# KiCad board AurisenseV2-rounded.kicad_pcb (continued)
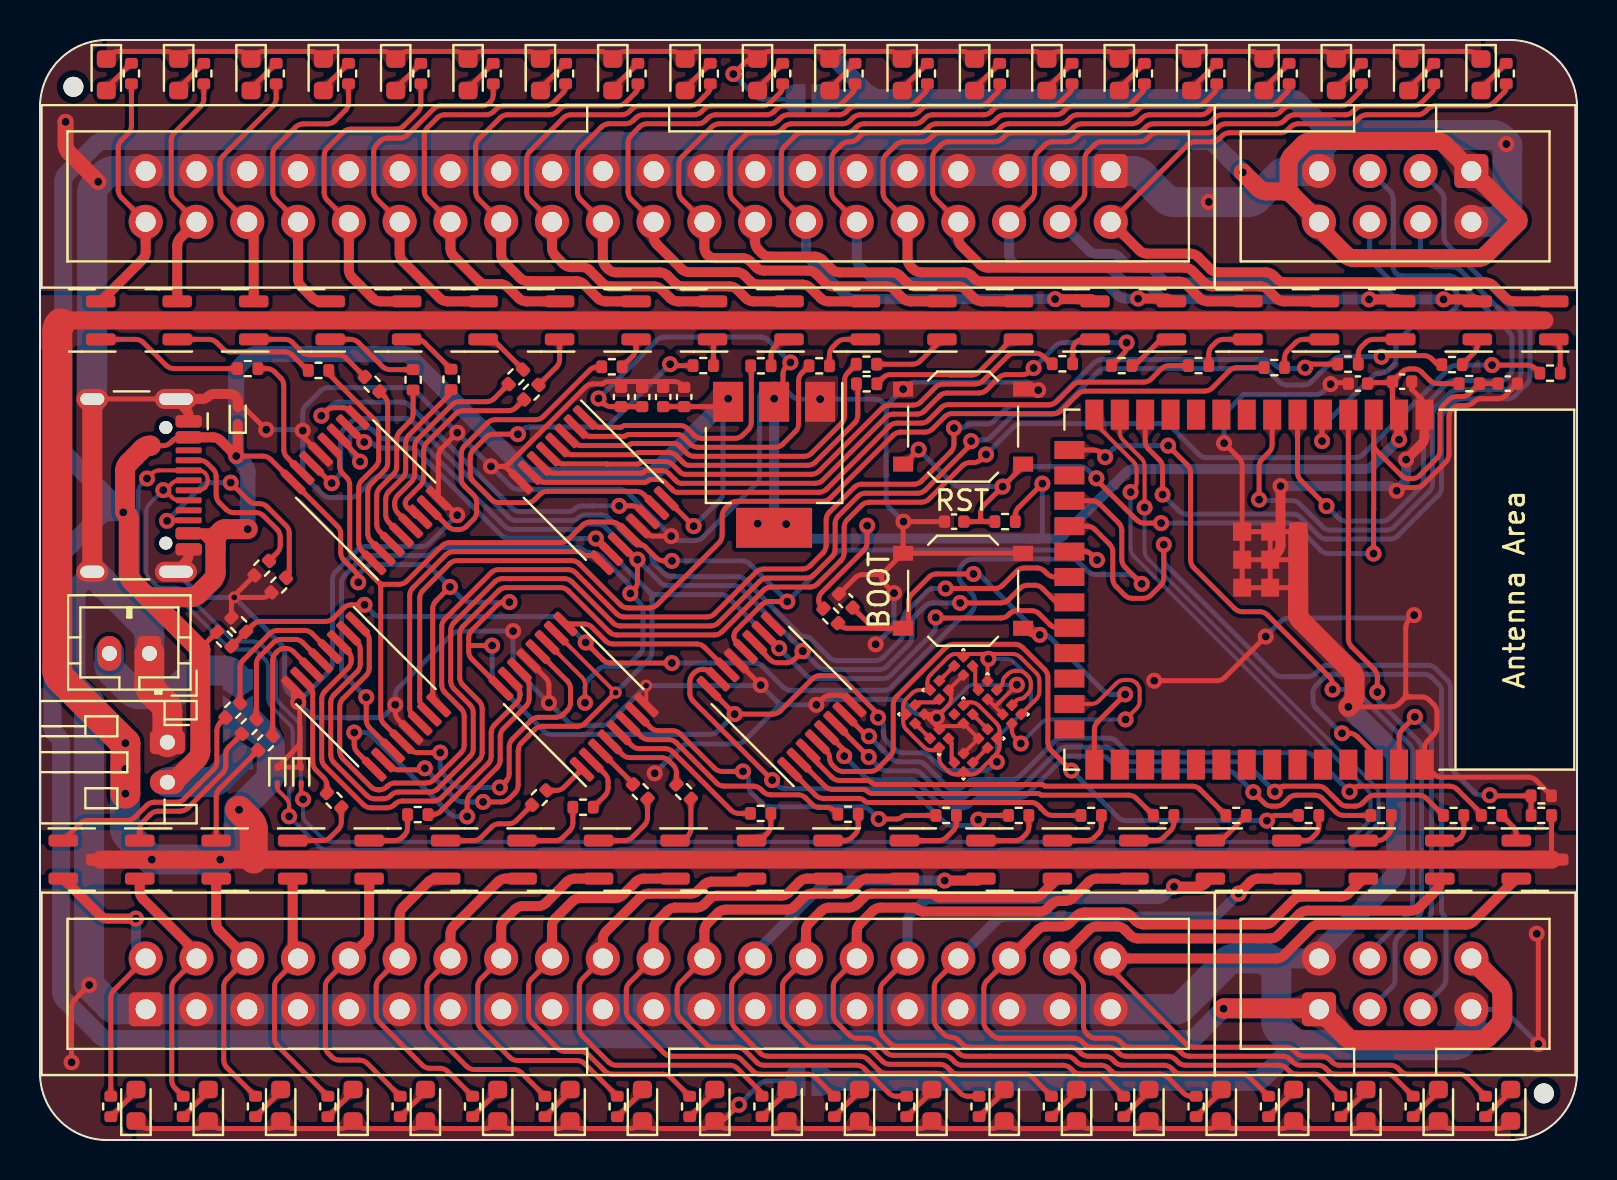
[diagram p0: board, top side]
## Routing (per net, layer and track width the routed paths; a pad name or vN(x,y) marks a point on that pad's centre or on a via; arc(x,y) is an arc through that point) (continued)
  Top w0.5: Q30.2 35.51,13 arc(35.42,12.94) 35.32,12.92 33.59,12.92 arc(33.38,12.88) 33.2,12.76 32.92,12.48 arc(32.75,12.36) 32.54,12.32 30.43,12.32 arc(30.22,12.28) 30.04,12.16 28.3,10.42 arc(28.19,10.24) 28.14,10.04 J5.20
motor 31 anode: length 26.6
  Top w0.25: R63.1 38.78,3.13 arc(38.61,3.25) 38.4,3.29 36.03,3.29 arc(35.82,3.33) 35.64,3.45 35.06,4.03 arc(34.88,4.15) 34.68,4.19 31.6,4.19 arc(31.39,4.23) 31.21,4.35 29.48,6.08 arc(29.36,6.26) 29.32,6.46 29.32,7.49 arc(29.36,7.69) 29.48,7.87 J5.22
  Top w0.5: Q31.2 38.37,13.07 arc(38.16,13.03) 37.98,12.91 37.45,12.38 arc(37.27,12.26) 37.06,12.22 33.88,12.22 arc(33.67,12.18) 33.49,12.06 33.21,11.78 arc(33.04,11.66) 32.83,11.62 31.76,11.62 arc(31.56,11.58) 31.38,11.46 30.84,10.92 arc(30.73,10.75) 30.68,10.54 J5.22
motor 32 anode: length 28.9
  Top w0.25: J5.24 32.02,7.87 arc(31.9,7.69) 31.86,7.49 31.86,6.46 arc(31.9,6.26) 32.02,6.08 33.3,4.8 arc(33.48,4.68) 33.69,4.64 34.86,4.64 arc(35.07,4.6) 35.25,4.48 35.83,3.9 arc(36.01,3.78) 36.21,3.74 40.83,3.74 arc(41.04,3.7) 41.21,3.58 42.45,2.35 arc(42.63,2.23) 42.83,2.19 R65.1
  Top w0.5: J5.24 33.22,10.46 arc(33.27,10.66) 33.38,10.84 33.9,11.36 arc(34.08,11.48) 34.29,11.52 37.35,11.52 arc(37.56,11.56) 37.74,11.68 38.22,12.16 arc(38.4,12.28) 38.61,12.32 40.17,12.32 arc(40.37,12.36) 40.55,12.48 40.98,12.91 arc(41.16,13.03) 41.37,13.07 Q32.2
motor 33 anode: length 30.6
  Top w0.25: J5.26 34.75,8.06 arc(34.63,7.88) 34.59,7.68 34.59,6 arc(34.63,5.79) 34.75,5.61 36.02,4.35 arc(36.19,4.23) 36.4,4.19 41.02,4.19 arc(41.22,4.15) 41.4,4.03 41.94,3.49 arc(42.11,3.38) 42.32,3.33 44.81,3.33 arc(45.02,3.29) 45.2,3.18 46.03,2.35 arc(46.2,2.23) 46.41,2.19 R78.1
  Top w0.5: v1(45.24,12.97) 46.89,12.97 arc(46.95,12.98) 47.01,13.02 Q33.2
  Bottom w0.5: J5.26 35.77,9.23 arc(35.79,9.36) 35.87,9.48 39.2,12.81 arc(39.38,12.93) 39.59,12.97 v1(45.24,12.97)
motor 34 anode: length 33.6
  Top w0.25: J5.28 37.29,8.06 arc(37.17,7.88) 37.13,7.68 37.13,6.19 arc(37.17,5.98) 37.29,5.8 38.3,4.8 arc(38.47,4.68) 38.68,4.64 41.2,4.64 arc(41.41,4.6) 41.59,4.48 42.12,3.94 arc(42.3,3.83) 42.51,3.78 45,3.78 arc(45.21,3.74) 45.38,3.63 45.56,3.45 arc(45.74,3.33) 45.94,3.29 49.25,3.29 arc(49.46,3.25) 49.64,3.13 R79.1
  Top w0.5: J5.28 38.3,10.46 arc(38.35,10.67) 38.46,10.85 39.08,11.46 arc(39.26,11.58) 39.46,11.62 40.46,11.62 arc(40.66,11.66) 40.84,11.78 41.22,12.16 arc(41.4,12.28) 41.61,12.32 44.55,12.32 arc(44.68,12.3) 44.79,12.22 arc(44.9,12.15) 45.03,12.12 49.7,12.12 arc(49.91,12.16) 50.09,12.28 Q34.2
motor 35 anode: length 35.8
  Top w0.25: J5.30 39.83,8.06 arc(39.71,7.88) 39.67,7.68 39.67,6.27 arc(39.71,6.06) 39.83,5.89 40.47,5.25 arc(40.65,5.13) 40.85,5.09 41.39,5.09 arc(41.6,5.05) 41.77,4.93 42.31,4.39 arc(42.49,4.28) 42.69,4.23 45.18,4.23 arc(45.39,4.19) 45.57,4.08 45.75,3.9 arc(45.92,3.78) 46.13,3.74 51.15,3.74 arc(51.36,3.7) 51.54,3.58 51.67,3.45 arc(51.85,3.33) 52.05,3.29 52.87,3.29 arc(53.08,3.25) 53.26,3.13 R80.1
  Top w0.5: J5.30 40.84,10.43 arc(40.89,10.63) 41,10.81 41.66,11.46 arc(41.83,11.58) 42.04,11.62 43.67,11.62 arc(43.8,11.6) 43.91,11.52 arc(44.02,11.45) 44.15,11.42 49.99,11.42 arc(50.2,11.46) 50.38,11.58 50.59,11.8 arc(50.77,11.91) 50.98,11.96 51.27,11.96 arc(51.48,12) 51.66,12.11 52.46,12.91 arc(52.63,13.03) 52.84,13.07 Q35.2
motor 36 anode: length 39.1
  Top w0.25: J5.32 42.18,7.87 arc(42.06,7.69) 42.02,7.49 42.02,5.54 arc(42.06,5.34) 42.18,5.16 42.5,4.84 arc(42.67,4.73) 42.88,4.69 45.37,4.69 arc(45.58,4.64) 45.75,4.53 45.93,4.35 arc(46.11,4.23) 46.32,4.19 47.51,4.19 arc(47.51,4.19) 47.51,4.19 51.34,4.19 arc(51.55,4.15) 51.72,4.03 51.86,3.9 arc(52.03,3.78) 52.24,3.74 53.06,3.74 arc(53.27,3.7) 53.44,3.58 53.57,3.45 arc(53.75,3.33) 53.96,3.29 56.02,3.29 arc(56.23,3.25) 56.4,3.13 57.19,2.35 arc(57.37,2.23) 57.57,2.19 R81.1
  Top w0.5: Q36.2 58.29,12.83 arc(58.11,12.71) 57.9,12.67 v1(56.71,12.67)
  Bottom w0.5: v1(56.71,12.67) 56.25,12.2 arc(56.07,12.09) 55.86,12.04 44.51,12.04 arc(44.31,12) 44.13,11.89 43.54,11.3 arc(43.43,11.12) 43.39,10.92 J5.32
motor 37 anode: length 39.7
  Top w0.25: R82.1 60.49,3.13 arc(60.32,3.25) 60.11,3.29 57.11,3.29 arc(56.9,3.33) 56.72,3.45 56.59,3.58 arc(56.41,3.7) 56.21,3.74 54.14,3.74 arc(53.94,3.78) 53.76,3.9 53.63,4.03 arc(53.45,4.15) 53.24,4.19 52.43,4.19 arc(52.22,4.23) 52.04,4.35 51.91,4.48 arc(51.73,4.6) 51.53,4.64 46.5,4.64 arc(46.3,4.68) 46.12,4.8 45.93,4.99 arc(45.77,5.1) 45.57,5.13 arc(45.38,5.17) 45.21,5.28 44.88,5.62 arc(44.76,5.79) 44.72,6 44.72,7.64 arc(44.76,7.85) 44.88,8.03 J5.34
  Top w0.5: v1(59.94,12.32) 60.53,12.91 arc(60.71,13.03) 60.92,13.07 Q37.2
  Bottom w0.5: J5.34 47.86,11.01 arc(48.04,11.13) 48.24,11.17 58.56,11.17 arc(58.77,11.21) 58.95,11.33 v1(59.94,12.32)
motor 38 anode: length 42.6
  Top w0.25: J5.36 47.36,7.97 arc(47.24,7.79) 47.2,7.58 47.2,5.89 arc(47.24,5.68) 47.36,5.51 47.62,5.25 arc(47.79,5.13) 48,5.09 51.71,5.09 arc(51.92,5.05) 52.1,4.93 52.23,4.8 arc(52.41,4.68) 52.61,4.64 53.43,4.64 arc(53.64,4.6) 53.81,4.48 53.95,4.35 arc(54.12,4.23) 54.33,4.19 56.39,4.19 arc(56.6,4.15) 56.78,4.03 56.91,3.9 arc(57.09,3.78) 57.29,3.74 61.95,3.74 arc(62.16,3.7) 62.34,3.58 62.47,3.45 arc(62.65,3.33) 62.85,3.29 63.73,3.29 arc(63.93,3.25) 64.11,3.13 R83.1
  Top w0.5: Q38.2 65.43,12.33 arc(65.26,12.21) 65.05,12.17 63.08,12.17 arc(62.88,12.13) 62.7,12.01 61.63,10.94 arc(61.45,10.82) 61.24,10.78 55.2,10.78 arc(54.99,10.82) 54.81,10.94 54.53,11.22 arc(54.36,11.33) 54.15,11.38 52.24,11.38 arc(52.03,11.33) 51.86,11.22 51.47,10.84 arc(51.3,10.72) 51.09,10.68 50.29,10.68 arc(50.08,10.63) 49.91,10.52 J5.36
motor 39 anode: length 42.9
  Top w0.25: R84.1 67.73,3.13 arc(67.55,3.25) 67.34,3.29 64.81,3.29 arc(64.6,3.33) 64.43,3.45 64.3,3.58 arc(64.12,3.7) 63.91,3.74 63.04,3.74 arc(62.83,3.78) 62.66,3.9 62.52,4.03 arc(62.35,4.15) 62.14,4.19 57.48,4.19 arc(57.27,4.23) 57.1,4.35 56.96,4.48 arc(56.79,4.6) 56.58,4.64 54.52,4.64 arc(54.31,4.68) 54.13,4.8 54,4.93 arc(53.82,5.05) 53.62,5.09 52.8,5.09 arc(52.59,5.13) 52.42,5.25 52.34,5.32 arc(52.23,5.5) 52.18,5.71 52.18,7.67 arc(52.14,7.88) 52.02,8.06 51.01,9.07
  Top w0.5: Q39.2 70,12.86 arc(69.96,12.67) 69.85,12.51 68.97,11.63 arc(68.8,11.51) 68.59,11.47 63.37,11.47 arc(63.17,11.43) 62.99,11.31 61.92,10.24 arc(61.74,10.12) 61.53,10.08 54.91,10.08 arc(54.7,10.12) 54.52,10.24 54.24,10.52 arc(54.07,10.63) 53.86,10.68 52.85,10.68 arc(52.64,10.63) 52.46,10.52 51.03,9.08 arc(51.02,9.08) 51.01,9.08 arc(51.01,9.07) 51.01,9.07
motor 40 anode: length 43.5
  Top w0.25: R85.1 71.35,3.13 arc(71.17,3.25) 70.96,3.29 68.43,3.29 arc(68.22,3.33) 68.05,3.45 67.92,3.58 arc(67.74,3.7) 67.53,3.74 65,3.74 arc(64.79,3.78) 64.61,3.9 64.48,4.03 arc(64.31,4.15) 64.1,4.19 63.23,4.19 arc(63.02,4.23) 62.84,4.35 62.71,4.48 arc(62.53,4.6) 62.33,4.64 57.7,4.64 arc(57.49,4.68) 57.32,4.8 53.7,8.41 arc(53.59,8.59) 53.55,8.79 53.55,8.88
  Top w0.5: Q40.2 71.68,10.93 arc(71.51,10.81) 71.3,10.77 63.96,10.77 arc(63.76,10.73) 63.58,10.61 62.21,9.24 arc(62.03,9.12) 61.82,9.08 53.74,9.08 arc(53.6,9.02) 53.55,8.88
Motor Voltage Input: length 8.3
  Bottom w1.5: J2.2 3.47,23.77 arc(3.51,23.57) 3.63,23.39 4.57,22.45 arc(4.75,22.33) 4.95,22.29 6.43,22.29 arc(6.64,22.33) 6.82,22.45 7.68,23.32 arc(7.86,23.43) 8.07,23.47 9.23,23.47 arc(9.44,23.43) 9.61,23.32 JP1.3
Power draw resistor A: length 8.4
  Top w0.25: R66.2 11.45,28.96 arc(11.45,28.96) 11.45,28.96 11.85,29.36 arc(11.97,29.54) 12.01,29.74 12.01,30.14 arc(11.97,30.35) 11.85,30.53 11.17,31.21 arc(11,31.33) 10.79,31.37 9.69,31.37 arc(9.48,31.41) 9.3,31.53 8.97,31.87 arc(8.85,32.04) 8.81,32.25 8.81,33.16 arc(8.77,33.37) 8.65,33.55 8.37,33.82 arc(8.2,33.94) 7.99,33.98 7.43,33.98
Power draw resistor B: length 11.4
  Top w0.25: 7.43,30.98 6.4,30.98 arc(6.38,30.98) 6.37,30.97 v1(6.35,30.96) ; R67.2 12.38,28.19 arc(12.44,28.28) 12.46,28.39 12.46,30.33 arc(12.42,30.54) 12.3,30.72 11.36,31.66 arc(11.18,31.78) 10.97,31.82 10.81,31.82 arc(10.6,31.86) 10.42,31.98 v1(9.53,32.87)
  Bottom w0.25: v1(6.35,30.96) 8.11,32.71 arc(8.28,32.83) 8.49,32.87 v1(9.53,32.87)
register1 to register2: length 21.2
  Top w0.25: U2.9 15.55,36.45 arc(15.37,36.57) 15.16,36.61 14.7,36.61 arc(14.49,36.57) 14.31,36.45 14.07,36.21 arc(14.07,36.21) 14.07,36.21 v1(14.07,36.21) ; U6.14 30,31.55 arc(29.83,31.67) 29.62,31.71 v1(28.96,31.71)
  Bottom w0.25: v1(28.96,31.71) 27.65,31.71 arc(27.64,31.71) 27.64,31.71 arc(27.64,31.7) 27.64,31.7 27.09,31.7 arc(26.91,31.67) 26.75,31.57 arc(26.6,31.46) 26.42,31.43 24.01,31.43 arc(23.8,31.47) 23.62,31.59 18.47,36.74 arc(18.3,36.85) 18.09,36.89 14.98,36.89 arc(14.77,36.85) 14.59,36.74 v1(14.07,36.21)
register2 to register3: length 17.4
  Top w0.25: U9.14 18.65,21.2 arc(18.53,21.38) 18.49,21.59 18.49,27.23 arc(18.53,27.44) 18.65,27.62 20.29,29.26 arc(20.47,29.38) 20.68,29.42 26.86,29.42 arc(26.99,29.39) 27.1,29.32 arc(27.21,29.25) 27.33,29.22 27.51,29.22 arc(27.71,29.18) 27.89,29.06 U6.9
register3 to register4: length 18.3
  Top w0.25: v1(21.36,16.18) 21.36,16.9 arc(21.4,17.11) 21.52,17.29 22.85,18.62 arc(22.97,18.8) 23.01,19.01 23.01,20.18 arc(23.06,20.39) 23.17,20.56 24.3,21.69 arc(24.42,21.87) 24.46,22.08 24.46,22.79 arc(24.42,23) 24.3,23.18 U11.14 ; U9.9 15.87,19.38 arc(15.75,19.56) 15.71,19.76 v1(15.71,20.37)
  Bottom w0.25: v1(15.71,20.37) 16.21,20.37 arc(16.42,20.33) 16.59,20.21 20.47,16.34 arc(20.65,16.22) 20.85,16.18 v1(21.36,16.18)
register4 to register5: length 9
  Top w0.25: U11.9 27.21,25.8 arc(27.42,25.76) 27.6,25.64 28.28,24.96 arc(28.45,24.84) 28.66,24.8 32.84,24.8 arc(33.05,24.76) 33.23,24.64 U4.14
SCLK - A: length 15
  Top w0.25: U1.39 67.97,20.15 arc(68.01,20.36) 68.13,20.53 v1(68.75,21.16)
  Bottom w0.25: v1(68.75,21.16) 69.43,20.48 arc(69.55,20.31) 69.59,20.1 69.59,11.42 arc(69.55,11.21) 69.43,11.03 69.2,10.8 arc(69.08,10.63) 69.04,10.42 69.04,9.38
SCLK - B: length 19.3
  Top w0.25: U1.5 64.14,36.24 arc(64.12,36.22) 64.11,36.19 v1(64.11,34.94)
  Bottom w0.25: v1(64.11,34.94) 64.11,35.44 arc(64.16,35.65) 64.27,35.83 66.63,38.18 arc(66.81,38.3) 67.01,38.34 67.06,38.34 arc(67.27,38.38) 67.44,38.5 67.65,38.7 arc(67.77,38.88) 67.81,39.09 67.81,39.64 arc(67.85,39.85) 67.97,40.02 69.09,41.15 arc(69.27,41.26) 69.48,41.31 70.26,41.31 arc(70.47,41.35) 70.65,41.47 70.75,41.57 arc(70.87,41.75) 70.91,41.96 70.91,42.11 arc(70.87,42.31) 70.75,42.49 70.65,42.6 arc(70.47,42.71) 70.26,42.76 67.98,42.76 arc(67.77,42.8) 67.59,42.92 66.66,43.85 arc(66.54,44.03) 66.5,44.24 J6.6
shift out serial: length 48.5
  Top w0.25: U1.20 50.75,28.15 arc(50.55,28.19) 50.37,28.31 50.24,28.44 arc(50.06,28.56) 49.85,28.6 49.23,28.6 arc(49.02,28.56) 48.84,28.44 48.14,27.74 arc(47.96,27.62) 47.75,27.58 v1(45.29,27.58) ; v1(14.59,32.84) 14.57,32.84 arc(14.56,32.85) 14.55,32.85 U2.14
  Bottom w0.25: v1(45.29,27.58) 44.73,27.58 arc(44.52,27.54) 44.34,27.42 43.32,26.39 arc(43.2,26.22) 43.16,26.01 43.16,25.36 arc(43.12,25.15) 43,24.97 42.16,24.13 arc(41.98,24.01) 41.77,23.97 39.86,23.97 arc(39.66,24.01) 39.48,24.13 38.56,25.05 arc(38.43,25.14) 38.27,25.17 arc(38.11,25.2) 37.98,25.29 35.26,28.01 arc(35.08,28.13) 34.88,28.17 31.59,28.17 arc(31.38,28.21) 31.21,28.33 30.74,28.79 arc(30.64,28.95) 30.6,29.13 arc(30.57,29.31) 30.47,29.46 30.31,29.61 arc(30.16,29.71) 29.98,29.75 arc(29.81,29.78) 29.65,29.88 28.44,31.09 arc(28.27,31.21) 28.06,31.25 27.27,31.25 arc(27.09,31.22) 26.94,31.12 arc(26.79,31.01) 26.61,30.98 23.82,30.98 arc(23.61,31.02) 23.44,31.14 18.66,35.91 arc(18.49,36.03) 18.28,36.07 15.95,36.07 arc(15.74,36.03) 15.57,35.91 15.2,35.54 arc(15.08,35.36) 15.04,35.16 15.04,33.52 arc(15,33.31) 14.88,33.14 v1(14.59,32.84)
SPI clock pin: length 90
  Top w0.2: v1(27.25,21.86) 27.25,22.76 arc(27.21,22.97) 27.1,23.14 U11.11
  Top w0.25: U9.11 16.47,20.62 arc(16.36,20.79) 16.32,21 v1(16.32,22.14) ; v1(29.52,27.33) 29.72,27.52 arc(29.84,27.7) 29.88,27.91 v1(29.88,29.02) 29.83,29.02 arc(29.78,29.03) 29.74,29.06 U6.11 ; v1(38.14,24.44) 37.71,24.02 arc(37.54,23.9) 37.33,23.86 36.89,23.86 arc(36.68,23.9) 36.5,24.02 35.78,24.74 arc(35.75,24.78) 35.74,24.83 U4.11 ; v1(46.01,26.85) 48.05,26.85 arc(48.26,26.89) 48.44,27.01 49,27.58 arc(49.18,27.7) 49.39,27.74 49.74,27.74 arc(49.95,27.7) 50.13,27.58 50.67,27.04 arc(50.84,26.92) 51.05,26.88 U1.21 ; v1(16,33.92) 16,34 arc(15.99,34.07) 15.95,34.14 14.98,35.1 arc(14.96,35.13) 14.95,35.17 U2.11 ; 25.61,24.54 25.61,24.54
  Bottom w0.25: v1(27.25,21.86) 27.25,22.63 arc(27.3,22.84) 27.41,23.02 27.92,23.52 arc(28.09,23.64) 28.3,23.68 29.14,23.68 arc(29.35,23.72) 29.52,23.84 29.99,24.31 arc(30.11,24.49) 30.15,24.7 30.15,26.47 arc(30.11,26.68) 29.99,26.85 v1(29.52,27.33) 29.52,27.52 arc(29.49,27.7) 29.38,27.85 28.04,29.19 arc(27.87,29.31) 27.66,29.35 27.51,29.35 arc(27.33,29.39) 27.18,29.49 arc(27.02,29.59) 26.84,29.63 20.11,29.63 arc(19.9,29.59) 19.72,29.47 19.63,29.38 arc(19.46,29.26) 19.25,29.22 16.45,29.22 arc(16.24,29.18) 16.07,29.06 15.24,28.23 arc(15.12,28.06) 15.08,27.85 15.08,23.6 arc(15.12,23.4) 15.24,23.22 v1(16.32,22.14) ; v1(46.01,26.85) 44.64,26.85 arc(44.43,26.81) 44.25,26.69 43.77,26.21 arc(43.65,26.03) 43.61,25.82 43.61,25.17 arc(43.57,24.96) 43.45,24.78 42.34,23.68 arc(42.17,23.56) 41.96,23.52 39.29,23.52 arc(39.08,23.56) 38.9,23.68 v1(38.14,24.44) 38.14,24.47 arc(38.13,24.49) 38.12,24.51 35.07,27.56 arc(34.9,27.68) 34.69,27.72 31.38,27.72 arc(31.19,27.76) 31.03,27.86 v1(29.88,29.02) 28.26,30.64 arc(28.08,30.76) 27.87,30.8 27.46,30.8 arc(27.28,30.77) 27.13,30.67 arc(26.97,30.56) 26.79,30.53 23.63,30.53 arc(23.43,30.57) 23.25,30.69 19.04,34.89 arc(18.87,35.01) 18.66,35.05 17.31,35.05 arc(17.1,35.09) 16.92,35.21 16.67,35.46 arc(16.5,35.58) 16.29,35.62 16.14,35.62 arc(15.93,35.58) 15.75,35.46 15.65,35.35 arc(15.53,35.18) 15.49,34.97 15.49,34.66 arc(15.53,34.45) 15.65,34.27 v1(16,33.92)
SS - A: length 32.2
  Top w0.25: v1(66.88,22.4) 66.88,23.15 arc(66.84,23.36) 66.72,23.54 65.59,24.67 arc(65.47,24.85) 65.43,25.06 U1.4
  Bottom w0.25: J7.3 67.6,7.64 arc(67.72,7.82) 67.76,8.03 67.76,9.78 arc(67.81,9.99) 67.92,10.16 68.93,11.17 arc(69.05,11.35) 69.09,11.56 69.09,19.57 arc(69.05,19.78) 68.93,19.96 67.02,21.87 arc(66.92,22.02) 66.88,22.2 v1(66.88,22.4)
SS - B: length 41.6
  Top w0.25: U1.12 55.27,34.94 arc(55.31,34.73) 55.43,34.56 55.98,34 arc(56.1,33.83) 56.14,33.62 v1(56.14,32.27)
  Bottom w0.25: v1(56.14,32.27) 56.95,31.45 arc(57.13,31.34) 57.34,31.29 62.65,31.29 arc(62.86,31.25) 63.03,31.14 63.97,30.2 arc(64.14,30.09) 64.35,30.04 67.51,30.04 arc(67.72,30.09) 67.9,30.2 69.93,32.24 arc(70.05,32.41) 70.09,32.62 70.09,36.06 arc(70.13,36.27) 70.25,36.44 70.7,36.9 arc(70.88,37.02) 71.09,37.06 73.38,37.06 arc(73.58,37.1) 73.76,37.22 74.35,37.81 arc(74.47,37.99) 74.51,38.19 74.51,40.41 arc(74.47,40.62) 74.35,40.8 70.37,44.78 arc(70.26,44.96) 70.21,45.17 70.21,47.05 arc(70.17,47.26) 70.05,47.43 J6.3
V Motor: length 193
  Top w0.25: R88.2 75.59,14.21 arc(75.6,14.14) 75.64,14.08 arc(75.65,14.04) 75.62,14.02
  Top w0.9: 75.62,14.02 v1(9.02,14.02) Q22.3 v1(5.59,14.02) Q21.3 ; 75.24,40.98 1.38,40.98 arc(1.18,40.94) 1.01,40.83
  Top w1.4: v1(9.96,16.51) 10.53,15.94 arc(10.65,15.76) 10.69,15.56 Q23.3
  Top w1.5: v1(4.27,17.32) v1(4.27,18.55) v1(4.27,19.84) 1.02,23.09 arc(0.91,23.26) 0.86,23.47 0.86,40.47 arc(0.9,40.67) 1.01,40.83
  Bottom w1.4: JP1.2 10.19,21.04 arc(10.39,21) 10.57,20.88 11.38,20.07 arc(11.5,19.9) 11.54,19.69 11.54,18.32 arc(11.5,18.11) 11.38,17.94 v1(9.96,16.51)
  Bottom w1.5: v1(9.96,16.51) 9.96,15.19 arc(9.91,14.98) 9.8,14.8 v1(9.02,14.02) v1(5.59,14.02) 4.41,15.2 arc(4.29,15.38) 4.25,15.59 4.25,17.28 arc(4.25,17.3) 4.26,17.31 v1(4.27,17.32)
Net-(D1-A): length 1.9
  Top w0.25: D1.2 3.32,52.52 arc(3.33,52.57) 3.35,52.61 R2.2
Net-(D2-A): length 1.9
  Top w0.25: D2.2 6.93,52.52 arc(6.94,52.57) 6.97,52.61 R4.2
Net-(D3-A): length 1.9
  Top w0.25: D3.2 10.55,52.52 arc(10.56,52.57) 10.59,52.61 R6.2
Net-(D4-A): length 1.9
  Top w0.25: D4.2 14.17,52.52 arc(14.18,52.57) 14.21,52.61 R8.2
Net-(D5-A): length 1.9
  Top w0.25: D5.2 17.79,52.52 arc(17.8,52.57) 17.83,52.61 R10.2
Net-(D6-A): length 1.9
  Top w0.25: D6.2 21.41,52.52 arc(21.42,52.57) 21.44,52.61 R12.2
Net-(D7-A): length 1.9
  Top w0.25: D7.2 25.03,52.52 arc(25.04,52.57) 25.06,52.61 R14.2
Net-(D8-A): length 1.9
  Top w0.25: R16.2 28.68,52.61 arc(28.65,52.57) 28.64,52.52 D8.2
Net-(D9-A): length 1.9
  Top w0.25: R18.2 32.3,52.61 arc(32.27,52.57) 32.26,52.52 D9.2
Net-(D10-A): length 1.9
  Top w0.25: R20.2 35.92,52.61 arc(35.89,52.57) 35.88,52.52 D10.2
Net-(D11-A): length 1.9
  Top w0.25: D11.2 39.5,52.52 arc(39.51,52.57) 39.54,52.61 R22.2
Net-(D12-A): length 1.9
  Top w0.25: D12.2 43.12,52.52 arc(43.13,52.57) 43.15,52.61 R24.2
Net-(D13-A): length 1.8
  Top w0.25: 46.74,52.58 R26.2
Net-(D14-A): length 1.9
  Top w0.25: R28.2 50.39,52.61 arc(50.36,52.57) 50.35,52.52 D14.2
Net-(D15-A): length 1.9
  Top w0.25: D15.2 53.97,52.52 arc(53.98,52.57) 54.01,52.61 R30.2
Net-(D16-A): length 1.9
  Top w0.25: R32.2 57.63,52.61 arc(57.6,52.57) 57.59,52.52 D16.2
Net-(D17-A): length 1.9
  Top w0.25: R34.2 61.25,52.61 arc(61.22,52.57) 61.21,52.52 D17.2
Net-(D18-A): length 1.9
  Top w0.25: R36.2 64.86,52.61 arc(64.84,52.57) 64.83,52.52 D18.2
Net-(D19-A): length 1.9
  Top w0.25: D19.2 68.45,52.52 arc(68.46,52.57) 68.48,52.61 R38.2
Net-(D20-A): length 1.9
  Top w0.25: D20.2 72.06,52.52 arc(72.07,52.57) 72.1,52.61 R40.2
Net-(D21-A): length 1.9
  Top w0.25: R42.2 4.76,2.39 arc(4.79,2.43) 4.8,2.47 D21.2
Net-(D22-A): length 1.9
  Top w0.25: R44.2 8.38,2.39 arc(8.41,2.43) 8.42,2.47 D22.2
Net-(D23-A): length 1.9
  Top w0.25: R46.2 12,2.39 arc(12.03,2.43) 12.04,2.47 D23.2
Net-(D24-A): length 1.9
  Top w0.25: R48.2 15.62,2.39 arc(15.64,2.43) 15.65,2.47 D24.2
Net-(D25-A): length 1.9
  Top w0.25: R50.2 19.24,2.39 arc(19.26,2.43) 19.27,2.47 D25.2
Net-(D26-A): length 1.9
  Top w0.25: R52.2 22.85,2.39 arc(22.88,2.43) 22.89,2.47 D26.2
Net-(D27-A): length 1.9
  Top w0.25: R54.2 26.47,2.39 arc(26.5,2.43) 26.51,2.47 D27.2
Net-(D28-A): length 1.9
  Top w0.25: R56.2 30.09,2.39 arc(30.12,2.43) 30.13,2.47 D28.2
Net-(D29-A): length 1.9
  Top w0.25: R59.2 33.71,2.39 arc(33.74,2.43) 33.75,2.47 D29.2
Net-(D30-A): length 1.9
  Top w0.25: R61.2 37.33,2.39 arc(37.36,2.43) 37.36,2.47 D30.2
Net-(D31-A): length 1.9
  Top w0.25: R63.2 40.95,2.39 arc(40.97,2.43) 40.98,2.47 D31.2
Net-(D32-A): length 1.9
  Top w0.25: D32.2 44.6,2.47 arc(44.59,2.43) 44.57,2.39 R65.2
Net-(D37-A): length 1.9
  Top w0.25: R78.2 48.18,2.39 arc(48.21,2.43) 48.22,2.47 D37.2
Net-(D38-A): length 1.9
  Top w0.25: D38.2 51.84,2.47 arc(51.83,2.43) 51.8,2.39 R79.2
Net-(D39-A): length 1.9
  Top w0.25: D39.2 55.46,2.47 arc(55.45,2.43) 55.42,2.39 R80.2
Net-(D40-A): length 1.9
  Top w0.25: D40.2 59.07,2.47 arc(59.07,2.43) 59.04,2.39 R81.2
Net-(D41-A): length 1.9
  Top w0.25: R82.2 62.66,2.39 arc(62.68,2.43) 62.69,2.47 D41.2
Net-(D42-A): length 1.9
  Top w0.25: R83.2 66.28,2.39 arc(66.3,2.43) 66.31,2.47 D42.2
Net-(D43-A): length 1.9
  Top w0.25: D43.2 69.93,2.47 arc(69.92,2.43) 69.89,2.39 R84.2
Net-(D44-A): length 1.9
  Top w0.25: D44.2 73.55,2.47 arc(73.54,2.43) 73.51,2.39 R85.2
Net-(Q1-G): length 7.4
  Top w0.25: Q1.1 4.78,40.03 arc(4.99,39.99) 5.17,39.87 6.31,38.73 arc(6.49,38.61) 6.69,38.57 R1.2
Net-(Q2-G): length 7.1
  Top w0.25: Q2.1 8.45,40.03 arc(8.66,39.99) 8.84,39.87 9.14,39.57 arc(9.32,39.45) 9.53,39.41 12.23,39.41 arc(12.44,39.36) 12.62,39.25 13.37,38.49 arc(13.38,38.48) 13.4,38.48 R3.2
Net-(Q3-G): length 6.3
  Top w0.25: Q3.1 12.24,40.03 arc(12.45,39.99) 12.63,39.87 13.08,39.42 arc(13.26,39.3) 13.46,39.26 14.91,39.26 arc(15.12,39.22) 15.3,39.1 R5.2
Net-(Q4-G): length 4.7
  Top w0.25: Q4.1 15.54,40.03 arc(15.75,39.99) 15.93,39.87 17.12,38.68 arc(17.3,38.56) 17.5,38.52 R7.2
Net-(Q5-G): length 2.8
  Top w0.25: R9.2 19.23,39.87 arc(19.05,39.99) 18.84,40.03 Q5.1
Net-(Q6-G): length 2.6
  Top w0.25: R11.2 22.81,39.87 arc(22.63,39.99) 22.42,40.03 Q6.1
Net-(Q7-G): length 2.7
  Top w0.25: R13.2 25.83,38.65 arc(25.94,38.82) 25.98,39.03 Q7.1
Net-(Q8-G): length 1.6
  Top w0.25: Q8.1 29.81,39.58 arc(29.77,39.38) 29.65,39.2 R15.2
Net-(Q9-G): length 1.3
  Top w0.25: R17.2 33.68,39.95 arc(33.67,39.98) 33.66,40.01 Q9.1
Net-(Q10-G): length 1.9
  Top w0.25: R19.2 36.56,39.24 arc(36.6,39.45) 36.72,39.63 37,39.91 arc(37.13,40) 37.29,40.03 Q10.1
Net-(Q11-G): length 2.8
  Top w0.25: R21.2 39.48,39.26 arc(39.52,39.47) 39.64,39.65 39.86,39.87 arc(40.04,39.99) 40.25,40.03 Q11.1
Net-(Q12-G): length 3.8
  Top w0.25: R23.2 43.64,38.79 arc(43.85,38.83) 44.02,38.95 Q12.1
Net-(Q13-G): length 8
  Top w0.25: Q13.1 48.76,40.03 arc(48.6,40) 48.47,39.91 46.97,38.41 arc(46.79,38.29) 46.58,38.25 45.51,38.25 arc(45.5,38.25) 45.49,38.26 arc(45.48,38.27) 45.46,38.27 42.53,38.27 arc(42.33,38.23) 42.15,38.11 R25.2
Net-(Q14-G): length 2.2
  Top w0.25: Q14.1 52.16,40.03 arc(51.97,39.99) 51.8,39.88 arc(51.69,39.71) 51.65,39.52 51.65,38.72
Net-(Q15-G): length 2.5
  Top w0.25: Q15.1 56.28,40.03 arc(56.07,39.99) 55.89,39.87 54.79,38.77 arc(54.73,38.73) 54.67,38.72 R29.2
Net-(Q16-G): length 2.9
  Top w0.25: R31.2 58.45,39.3 arc(58.49,39.51) 58.61,39.69 58.79,39.87 arc(58.97,39.99) 59.18,40.03 Q16.1
Net-(Q17-G): length 2.9
  Top w0.25: R33.2 62.24,39.09 arc(62.28,39.3) 62.4,39.48 62.79,39.87 arc(62.97,39.99) 63.18,40.03 Q17.1
Net-(Q18-G): length 3
  Top w0.25: Q18.1 66.68,40.03 arc(66.47,39.99) 66.29,39.87 66.08,39.66 arc(65.97,39.49) 65.92,39.28 65.92,38.79
Net-(Q19-G): length 1.5
  Top w0.25: Q19.1 71.88,39.75 arc(71.83,39.54) 71.72,39.36 R37.2
Net-(Q20-G): length 1.8
  Top w0.25: R39.2 76.02,39.48 arc(75.98,39.69) 75.86,39.87 Q20.1
Net-(Q21-G): length 11.8
  Top w0.25: R41.2 9,20.85 arc(8.89,20.67) 8.84,20.46 8.84,18.92 arc(8.8,18.71) 8.68,18.53 7.91,17.76 arc(7.91,17.76) 7.91,17.76 arc(7.91,17.76) 7.91,17.76 7.2,17.05 arc(7.03,16.93) 6.82,16.89 5.72,16.89 arc(5.51,16.85) 5.33,16.73 4.74,16.14 arc(4.57,16.02) 4.36,15.98 2.4,15.98 arc(2.19,15.94) 2.01,15.82 1.25,15.06 arc(1.24,15) 1.29,14.97 1.42,14.97
Net-(Q22-G): length 8.2
  Top w0.25: Q22.1 4.99,15.52 arc(5.03,15.73) 5.15,15.91 5.52,16.28 arc(5.7,16.4) 5.9,16.44 7,16.44 arc(7.21,16.48) 7.39,16.6 8.36,17.57 arc(8.36,17.57) 8.36,17.57 arc(8.36,17.58) 8.36,17.58 9.13,18.35 arc(9.25,18.52) 9.29,18.73 9.29,19.28 arc(9.34,19.49) 9.45,19.66 R43.2
Net-(Q23-G): length 5.4
  Top w0.25: Q23.1 8.81,17.16 arc(8.85,17.37) 8.97,17.55 R45.2
Net-(Q24-G): length 3.6
  Top w0.25: R47.2 15.07,15.92 arc(15.03,15.71) 14.91,15.53 14.51,15.13 arc(14.33,15.01) 14.13,14.97 Q24.1
Net-(Q25-G): length 2.9
  Top w0.25: R49.2 18.38,15.62 arc(18.34,15.42) 18.22,15.24 18.11,15.13 arc(17.93,15.01) 17.73,14.97 Q25.1
Net-(Q26-G): length 5
  Top w0.25: R51.2 23.82,15.97 arc(23.64,15.85) 23.43,15.81 22.96,15.81 arc(22.76,15.77) 22.58,15.65 22.06,15.13 arc(21.88,15.01) 21.68,14.97 Q26.1
Net-(Q27-G): length 3.8
  Top w0.25: Q27.1 25.77,14.97 arc(25.97,15.01) 26.15,15.13 26.49,15.47 arc(26.61,15.65) 26.65,15.85 R53.2
Net-(Q28-G): length 3.9
  Top w0.25: R55.2 30.38,16.12 arc(30.34,15.91) 30.22,15.74 29.61,15.13 arc(29.44,15.01) 29.23,14.97 Q28.1
Net-(Q29-G): length 2.6
  Top w0.25: R57.2 32.55,15.57 arc(32.51,15.36) 32.39,15.18 32.33,15.12 arc(32.16,15.01) 31.97,14.97 Q29.1
Net-(Q30-G): length 2
  Top w0.25: Q30.1 35.8,14.97 arc(35.99,15.01) 36.16,15.12 36.39,15.35 arc(36.51,15.53) 36.55,15.73 R60.2
Net-(Q31-G): length 2.5
  Top w0.25: R62.2 40.92,15.67 arc(40.88,15.47) 40.76,15.29 40.6,15.13 arc(40.42,15.01) 40.22,14.97 Q31.1
Net-(Q32-G): length 3.4
  Top w0.25: Q32.1 44.95,14.97 arc(45.15,15.01) 45.33,15.13 45.67,15.47 arc(45.79,15.65) 45.83,15.85 R64.2
Net-(Q33-G): length 3.3
  Top w0.25: R70.2 49.45,15.66 arc(49.41,15.45) 49.29,15.27 49.15,15.13 arc(48.97,15.01) 48.77,14.97 Q33.1
Net-(Q34-G): length 3.1
  Top w0.25: Q34.1 52.35,14.97 arc(52.55,15.01) 52.73,15.13 52.92,15.32 arc(53.04,15.5) 53.08,15.7 R71.2
Net-(Q35-G): length 2.8
  Top w0.25: Q35.1 55.81,14.97 arc(56.01,15.01) 56.19,15.13 56.54,15.48 arc(56.66,15.66) 56.7,15.87 R72.2
Net-(Q36-G): length 2.3
  Top w0.25: R73.2 59.23,15.13 arc(59.05,15.01) 58.85,14.97 Q36.1
Net-(Q37-G): length 2.5
  Top w0.25: R74.2 63.95,15.67 arc(63.91,15.46) 63.79,15.28 63.64,15.13 arc(63.46,15.01) 63.26,14.97 Q37.1
Net-(Q38-G): length 2.3
  Top w0.25: R75.2 67.58,15.65 arc(67.54,15.45) 67.42,15.27 67.28,15.13 arc(67.1,15.01) 66.9,14.97 Q38.1
Net-(Q39-G): length 2.2
  Top w0.25: R76.2 71.2,15.52 arc(71.16,15.31) 71.04,15.13 71.04,15.13 arc(70.86,15.01) 70.66,14.97 Q39.1
Net-(Q40-G): length 1.9
  Top w0.25: 74.31,14.97 74.03,14.97 arc(73.88,15.03) 73.83,15.17 73.83,15.28 arc(73.78,15.49) 73.67,15.66 R77.2
Net-(U2-QA): length 6.4
  Top w0.25: R1.1 11.34,38.57 arc(11.55,38.53) 11.73,38.41 12.03,38.11 arc(12.15,37.93) 12.19,37.72 12.19,34.52 arc(12.23,34.31) 12.35,34.14 U2.15
Net-(U2-QB): length 11.3
  Top w0.25: U2.1 16.1,29.47 arc(15.98,29.64) 15.94,29.85 15.94,32.6 arc(15.98,32.81) 16.1,32.99 16.78,33.67 arc(16.9,33.84) 16.94,34.05 16.94,35.58 arc(16.9,35.79) 16.78,35.96 14.5,38.24 arc(14.46,38.31) 14.44,38.39 R3.1
Net-(U2-QC): length 8.9
  Top w0.25: U2.2 16.55,29.94 arc(16.43,30.11) 16.39,30.32 16.39,32.41 arc(16.43,32.62) 16.55,32.8 17.23,33.48 arc(17.35,33.66) 17.39,33.87 17.39,36.78 arc(17.35,36.99) 17.23,37.17 R5.1
